# Altium PCB BEAGLEPLAYV020_220915.brd.PcbDoc (part 6 of 12)
Units mm, origin at the board's own origin, x right, y up, seen from the top; angles counter-clockwise.
Board outline 80 x 80 mm, 8 copper layers (TOP, LYR2_GND, LYR3, LAY4_PWR1, LAY5_PWR2, LAY6, LYR7_GND, BOTTOM), stack 1.545 mm thick; 782 components, 546 nets, 2864 pads, 2056 vias.
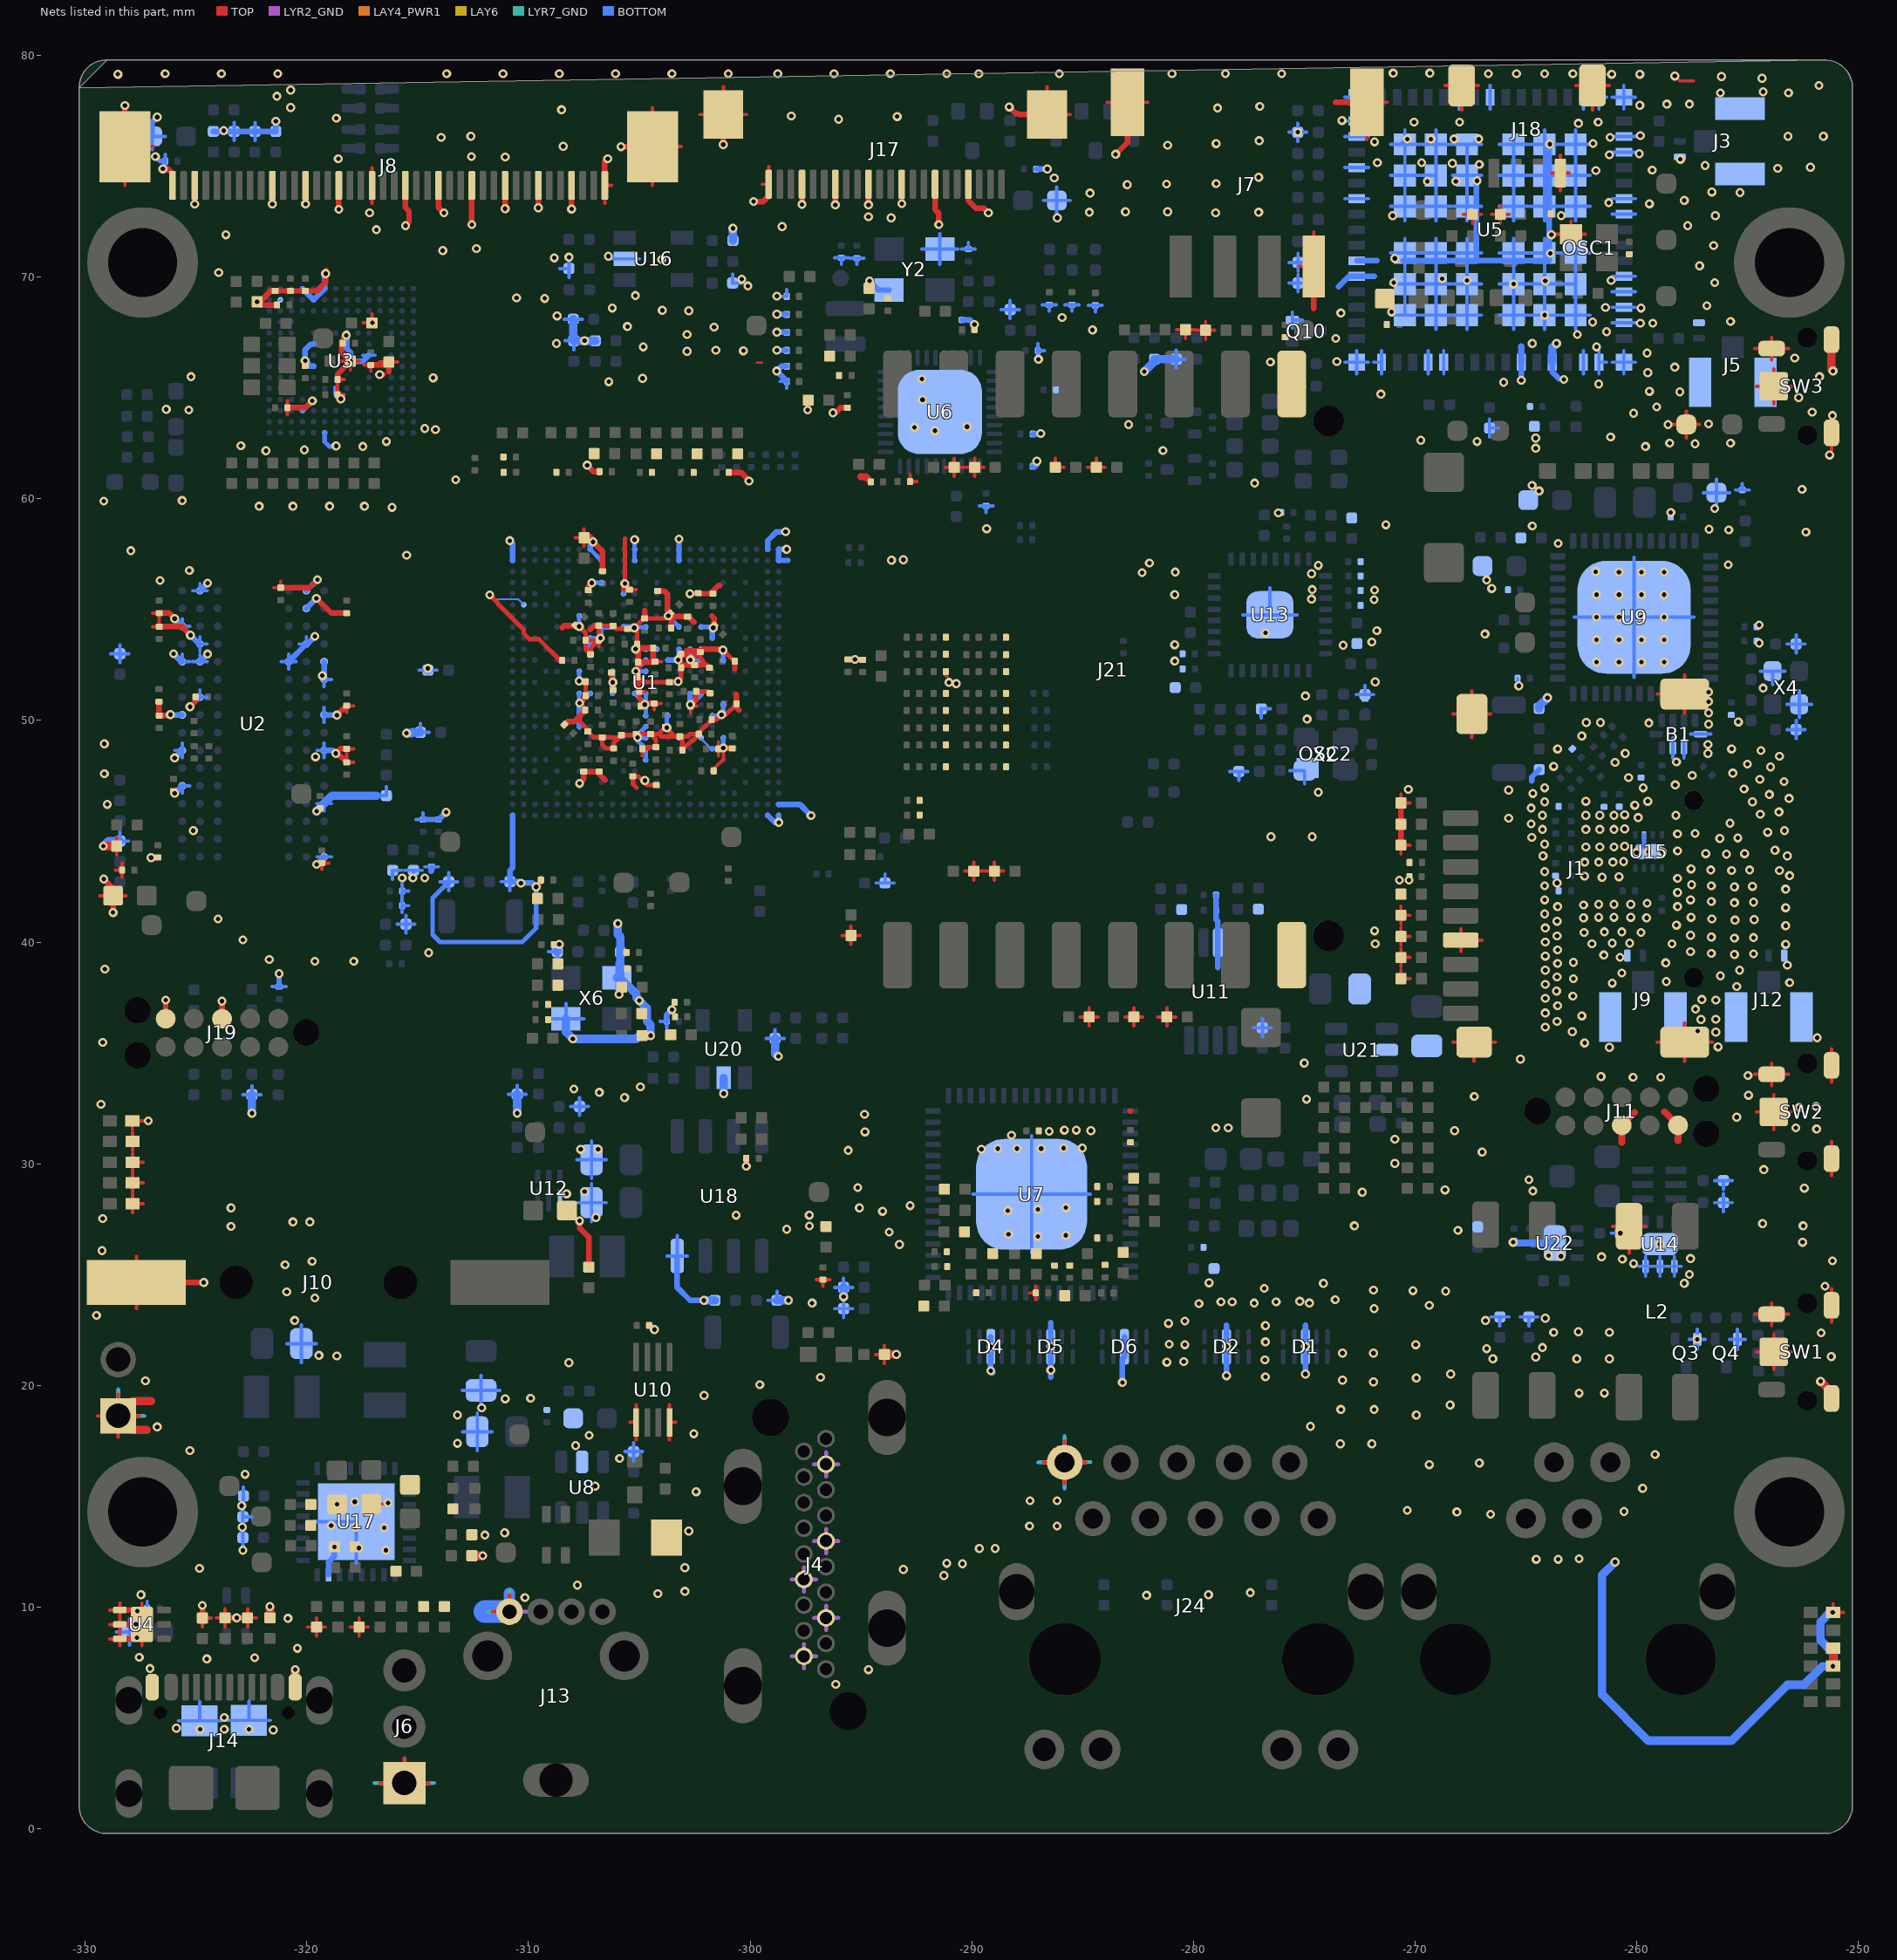
[diagram p12: the nets of this part, all layers, seen from the top]

## Via types
v1: diameter 0.406/0/0.406/0/0/0/0/0.406 (per signal layer), hole 0.203, TOP to BOTTOM, 334 vias
v2: diameter 0.406/0.406/0/0/0/0/0.406/0.406 (per signal layer), hole 0.203, TOP to BOTTOM, 282 vias
v3: diameter 0.406/0/0/0/0/0.406/0/0.406 (per signal layer), hole 0.203, TOP to BOTTOM, 255 vias
v4: diameter 0.406/0.406/0/0/0/0.406/0.406/0.406 (per signal layer), hole 0.203, TOP to BOTTOM, 253 vias
v5: diameter 0.406, hole 0.203, TOP to BOTTOM, 212 vias
v6: diameter 0.406/0.406/0.406/0/0/0.406/0.406/0.406 (per signal layer), hole 0.203, TOP to BOTTOM, 173 vias
v7: diameter 0.406/0/0/0.406/0/0/0/0.406 (per signal layer), hole 0.203, TOP to BOTTOM, 131 vias
v8: diameter 0.406/0/0/0/0.406/0/0/0.406 (per signal layer), hole 0.203, TOP to BOTTOM, 98 vias
v9: diameter 0.406/0.406/0/0.406/0/0/0.406/0.406 (per signal layer), hole 0.203, TOP to BOTTOM, 93 vias
v10: diameter 0.406/0/0.406/0/0/0.406/0/0.406 (per signal layer), hole 0.203, TOP to BOTTOM, 87 vias
v11: diameter 0.406/0.406/0/0.406/0/0.406/0.406/0.406 (per signal layer), hole 0.203, TOP to BOTTOM, 44 vias
v12: diameter 0.406/0.406/0.406/0.406/0/0.406/0.406/0.406 (per signal layer), hole 0.203, TOP to BOTTOM, 40 vias
v13: diameter 0.406/0.406/0.406/0/0/0/0.406/0.406 (per signal layer), hole 0.203, TOP to BOTTOM, 19 vias
v14: diameter 0.406/0/0/0.406/0/0.406/0/0.406 (per signal layer), hole 0.203, TOP to BOTTOM, 15 vias
v15: diameter 0.406/0/0/0/0.406/0.406/0/0.406 (per signal layer), hole 0.203, TOP to BOTTOM, 13 vias
v16: diameter 0.406/0/0.406/0/0.406/0/0/0.406 (per signal layer), hole 0.203, TOP to BOTTOM, 3 vias
v17: diameter 0.406/0/0.406/0.406/0/0/0/0.406 (per signal layer), hole 0.203, TOP to BOTTOM, 3 vias
v18: diameter 0.406/0.406/0.406/0.406/0/0/0.406/0.406 (per signal layer), hole 0.203, TOP to BOTTOM, 1 vias

## Nets (pads, with @x,y where several pads share a name; then routed paths per layer and width w, separated by ;. In a path a pad name is that pad's centre, name@x,y a point inside that pad or via, vN(x,y) a via of type N, cw(c..) or ccw(c..) an arc to the next point about the centre after c; other vN are vias at no path point) (continued)
GND: (continued)
  BOTTOM w0.152: -328.836,53.01 R1.2@-328.433,53.01 ; -328.588,8.89 C44.2@-327.99,8.89 ; -328.507,19.842 J16.1@-328.507,18.635 -327.3,18.635 ; -328.433,44.157 R83.2@-328.433,44.56 ; -328.433,44.964 R83.2@-328.433,44.56 ; -328.433,52.607 R1.2@-328.433,53.01 ; -328.433,53.413 R1.2@-328.433,53.01 ; -328.03,44.56 R83.2@-328.433,44.56 ; -328.03,53.01 R1.2@-328.433,53.01 ; -327.99,8.293 C44.2@-327.99,8.89 ; -327.99,9.487 C44.2@-327.99,8.89 ; -327.572,76.345 C268.2@-326.974,76.345 ; v2@-327.495,9.957 C130.2@-327.203,9.957 ; -327.393,8.89 C44.2@-327.99,8.89 ; -327.203,9.645 C130.2@-327.203,9.957 ; -327.203,10.268 C130.2@-327.203,9.957 ; -326.974,75.747 C268.2@-326.974,76.345 ; v4@-326.39,74.916 C267.2@-326.39,75.227 -326.39,75.539 ; -326.377,76.345 C268.2@-326.974,76.345 ; -325.95,48.652 U2.K9@-325.619,48.652 ; -325.95,54.253 U2.C9@-325.619,54.253 ; -325.803,4.882 R38.1@-324.837,4.882 ; -325.619,46.722 U2.M9@-325.619,47.052 -325.289,47.052 ; -325.619,48.322 U2.K9@-325.619,48.652 ; -325.619,48.983 U2.K9@-325.619,48.652 ; -325.619,52.984 U2.E9@-325.619,52.653 -325.289,52.653 ; -325.619,54.584 U2.C9@-325.619,54.253 ; -325.289,54.253 U2.C9@-325.619,54.253 ; -325.15,52.653 U2.E8@-324.819,52.653 ; -325.15,55.853 U2.A8@-324.819,55.853 ; -324.837,5.733 R38.1@-324.837,4.882 ; -324.819,51.383 U2.G8@-324.819,51.053 -324.489,51.053 ; -324.819,52.984 U2.E8@-324.819,52.653 ; -324.819,53.122 U2.D8@-324.819,53.453 ; -324.819,53.784 U2.D8@-324.819,53.453 ; -324.819,56.184 U2.A8@-324.819,55.853 ; -324.489,52.653 U2.E8@-324.819,52.653 ; -324.489,53.453 U2.D8@-324.819,53.453 ; -324.489,55.853 U2.A8@-324.819,55.853 ; -323.871,4.882 R38.1@-324.837,4.882 ; v2@-323.58,4.902 C105.1@-322.614,4.902 ; -323.279,76.166 R242.2@-323.279,76.57 -323.279,76.973 ; v2@-322.883,12.737 C48.2@-322.883,13.14 v2@-322.883,13.544 ; v2@-322.882,13.677 C47.2@-322.882,14.08 ; v2@-322.882,14.483 C47.2@-322.882,14.08 ; -322.878,33.122 R158.2@-322.475,33.122 ; v2@-322.856,14.617 C46.2@-322.856,15.02 -322.856,15.423 ; -322.614,5.754 C105.1@-322.614,4.902 ; -322.479,14.08 C47.2@-322.882,14.08 ; -322.475,33.525 R158.2@-322.475,33.122 ; -322.339,76.166 R240.2@-322.339,76.57 -322.339,76.973 ; -322.072,33.122 R158.2@-322.475,33.122 ; -321.648,4.902 C105.1@-322.614,4.902 ; -321.562,37.993 C260.2@-321.251,37.993 -320.939,37.993 ; -321.149,52.653 U2.E3@-320.819,52.653 ; -320.904,21.895 C54.2@-320.243,21.895 ; -320.819,52.322 U2.E3@-320.819,52.653 ; -320.819,52.984 U2.E3@-320.819,52.653 ; -320.488,52.653 U2.E3@-320.819,52.653 ; -320.349,53.453 U2.D2@-320.019,53.453 -320.019,53.784 ; -320.243,21.043 C54.2@-320.243,21.895 ; -320.243,22.746 C54.2@-320.243,21.895 ; -319.65,13.863 U17.33@-317.772,13.863 -317.772,11.985 ; -319.582,21.895 C54.2@-320.243,21.895 ; -319.549,43.852 U2.T1@-319.219,43.852 ; -319.549,46.252 U2.N1@-319.219,46.252 ; -319.549,48.652 U2.K1@-319.219,48.652 ; -319.219,43.521 U2.T1@-319.219,43.852 ; -319.219,45.921 U2.N1@-319.219,46.252 ; -319.219,48.322 U2.K1@-319.219,48.652 ; -319.219,48.983 U2.K1@-319.219,48.652 ; -319.219,49.922 U2.H1@-319.219,50.253 -319.219,50.583 ; -319.219,51.522 U2.F1@-319.219,51.853 -318.888,51.853 ; -318.888,43.852 U2.T1@-319.219,43.852 ; -318.888,46.252 U2.N1@-319.219,46.252 ; -317.473,66.475 U3.H10@-317.193,66.475 -316.913,66.475 ; -316.956,2.077 J6.1@-315.597,2.077 -314.238,2.077 ; -316.815,46.609 R82.2@-316.412,46.609 -316.412,47.012 ; -316.128,42.84 C231.2@-316.128,43.243 -315.725,43.243 ; -315.929,40.814 R87.2@-315.526,40.814 ; -315.697,41.337 C122.2@-315.697,41.648 ; -315.697,41.96 C122.2@-315.697,41.648 ; -315.697,41.997 C124.2@-315.697,42.309 ; -315.697,42.62 C124.2@-315.697,42.309 ; -315.592,43.243 C224.2@-315.189,43.243 ; -315.526,40.411 R87.2@-315.526,40.814 ; -315.526,41.217 R87.2@-315.526,40.814 ; -315.404,41.648 C122.2@-315.697,41.648 ; -315.404,42.309 C124.2@-315.697,42.309 ; v9@-315.189,42.84 C224.2@-315.189,43.243 ; -315.123,40.814 R87.2@-315.526,40.814 ; -315.068,45.535 C229.2@-314.757,45.535 -314.757,45.827 ; -314.941,52.269 R88.1@-314.538,52.269 -314.135,52.269 ; -314.882,49.871 R85.2@-314.882,49.468 -314.479,49.468 ; -314.786,43.243 C224.2@-315.189,43.243 ; -314.687,43.401 C225.2@-314.376,43.401 -314.064,43.401 ; -313.999,42.724 C127.2@-313.596,42.724 ; -313.596,42.321 C127.2@-313.596,42.724 ; -313.596,43.127 C127.2@-313.596,42.724 ; -313.193,42.724 C127.2@-313.596,42.724 ; -312.992,19.787 C60.2@-312.141,19.787 ; -312.97,17.916 C50.2@-312.309,17.916 ; -312.309,17.064 C50.2@-312.309,17.916 ; -312.309,18.767 C50.2@-312.309,17.916 ; v2@-312.141,19.126 C60.2@-312.141,19.787 ; -312.141,20.448 C60.2@-312.141,19.787 ; -311.648,17.916 C50.2@-312.309,17.916 ; -311.289,19.787 C60.2@-312.141,19.787 ; -311.242,42.732 C126.2@-310.839,42.732 -310.839,42.329 ; -310.915,33.142 R141.2@-310.511,33.142 ; -310.511,33.545 R141.2@-310.511,33.142 ; -310.108,33.142 R141.2@-310.511,33.142 ; -309.124,36.547 X6.2@-308.311,36.547 ; -309.1,39.574 C128.2@-308.697,39.574 -308.697,39.171 ; -308.576,70.384 C204.2@-308.173,70.384 ; -308.383,68.097 R94.1@-307.98,68.097 -307.577,68.097 ; -308.356,67.128 R131.2@-307.953,67.128 ; -308.311,37.233 X6.2@-308.311,36.547 ; -308.173,69.981 C204.2@-308.173,70.384 ; v2@-308.173,70.788 C204.2@-308.173,70.384 ; -308.099,32.588 R261.2@-307.696,32.588 ; -307.953,66.725 R131.2@-307.953,67.128 ; -307.953,67.531 R131.2@-307.953,67.128 ; -307.815,28.253 C135.2@-307.155,28.253 ; -307.815,30.184 C134.2@-307.155,30.184 ; -307.696,32.185 R261.2@-307.696,32.588 ; -307.696,32.991 R261.2@-307.696,32.588 ; -307.497,36.547 X6.2@-308.311,36.547 ; -307.293,32.588 R261.2@-307.696,32.588 ; -307.155,27.402 C135.2@-307.155,28.253 ; -307.155,29.105 C135.2@-307.155,28.253 ; -307.155,29.332 C134.2@-307.155,30.184 ; -307.155,31.035 C134.2@-307.155,30.184 ; -306.494,28.253 C135.2@-307.155,28.253 ; -306.494,30.184 C134.2@-307.155,30.184 ; v2@-306.32,70.824 U16.2@-305.66,70.824 -304.999,70.824 ; v2@-306.011,37.711 X6.4@-306.011,38.397 -306.011,39.083 ; -305.66,17.023 R152.2@-305.257,17.023 ; -305.257,16.62 R152.2@-305.257,17.023 ; -305.257,17.426 R152.2@-305.257,17.023 ; v2@-305.098,49.22 v2(-305.079,49.238) ; -304.854,17.023 R152.2@-305.257,17.023 ; -304.06,36.432 C266.2@-303.768,36.432 -303.768,36.121 ; v2(-303.756,49.675) -303.301,49.22 U1.H16@-303.211,49.22 ; -303.746,25.846 U18.4@-303.293,25.846 ; -303.293,26.774 U18.4@-303.293,25.846 ; -302.84,25.846 U18.4@-303.293,25.846 ; v2(-302.694,52.739) -302.214,53.22 U1.T18@-302.211,53.22 ; -300.79,70.135 C263.2@-300.79,69.732 v2@-300.386,69.732 ; -299.281,35.656 R213.2@-298.878,35.656 ; -299.191,23.847 C261.2@-298.788,23.847 -298.788,24.25 ; -298.878,36.059 R213.2@-298.878,35.656 ; -298.645,65.293 R47.1@-298.352,65.293 -298.352,64.982 ; v2@-298.645,69.129 R61.1@-298.352,69.129 -298.352,69.441 ; -298.475,35.656 R213.2@-298.878,35.656 ; -296.196,70.866 R277.2@-295.885,70.866 ; -296.19,24.431 R147.2@-295.787,24.431 ; -296.185,23.47 R256.2@-295.782,23.47 ; -295.885,70.573 R277.2@-295.885,70.866 ; -295.787,24.834 R147.2@-295.787,24.431 ; -295.782,23.067 R256.2@-295.782,23.47 ; v9@-295.782,23.873 R256.2@-295.782,23.47 ; -295.573,70.866 R277.2@-295.885,70.866 ; -295.492,70.856 C88.2@-295.18,70.856 ; -295.384,24.431 R147.2@-295.787,24.431 ; -295.379,23.47 R256.2@-295.782,23.47 ; -295.18,70.564 C88.2@-295.18,70.856 ; -294.869,70.856 C88.2@-295.18,70.856 ; -294.319,42.672 R251.2@-293.916,42.672 ; -293.916,43.075 R251.2@-293.916,42.672 ; -293.513,42.672 R251.2@-293.916,42.672 ; -292.255,71.266 Y2.2@-291.442,71.266 ; -291.442,70.58 Y2.2@-291.442,71.266 ; -291.442,71.952 Y2.2@-291.442,71.266 ; -290.629,71.266 Y2.2@-291.442,71.266 ; -290.469,71.264 C89.2@-290.158,71.264 ; -290.158,71.557 C89.2@-290.158,71.264 ; -289.958,28.631 U7.65@-287.305,28.631 ; -289.846,71.264 C89.2@-290.158,71.264 ; -289.669,59.68 C90.1@-289.357,59.68 ; -289.357,59.387 C90.1@-289.357,59.68 ; -289.045,59.68 C90.1@-289.357,59.68 ; -288.676,68.534 R33.2@-288.273,68.534 ; -288.273,68.13 R33.2@-288.273,68.534 ; -288.273,68.937 R33.2@-288.273,68.534 ; -287.87,68.534 R33.2@-288.273,68.534 ; -287.305,25.978 U7.65@-287.305,28.631 ; -287.305,31.284 U7.65@-287.305,28.631 ; v4@-287.024,66.366 C108.2@-287.024,66.677 ; -287.024,66.989 C108.2@-287.024,66.677 ; -287.023,16.54 J24.1@-285.816,16.54 ; -286.824,68.753 R253.1@-286.512,68.753 ; -286.767,73.456 C258.2@-286.169,73.456 ; -286.731,66.677 C108.2@-287.024,66.677 ; -286.512,68.46 R253.1@-286.512,68.753 ; -286.2,68.753 R253.1@-286.512,68.753 ; v4@-286.169,72.858 C258.2@-286.169,73.456 ; -286.169,74.053 C258.2@-286.169,73.456 ; -285.816,15.333 J24.1@-285.816,16.54 ; -285.816,17.747 J24.1@-285.816,16.54 ; -285.797,68.753 R308.1@-285.486,68.753 ; -285.572,73.456 C258.2@-286.169,73.456 ; -285.486,68.46 R308.1@-285.486,68.753 ; -285.174,68.753 R308.1@-285.486,68.753 ; -284.741,68.728 R310.1@-284.429,68.728 ; -284.652,28.631 U7.65@-287.305,28.631 ; -284.429,68.435 R310.1@-284.429,68.728 ; -284.118,68.728 R310.1@-284.429,68.728 ; -280.782,65.891 D52.1@-280.782,66.294 ; -280.782,66.697 D52.1@-280.782,66.294 ; -280.379,66.294 D52.1@-280.782,66.294 ; -278.361,47.701 R272.2@-277.958,47.701 ; -277.958,47.298 R272.2@-277.958,47.701 ; -277.778,54.762 U13.33@-276.555,54.762 ; -277.554,47.701 R272.2@-277.958,47.701 ; -277.298,36.14 C235.2@-276.895,36.14 ; -276.944,50.121 C2.2@-276.944,50.524 -276.54,50.524 ; -276.895,35.737 C235.2@-276.895,36.14 ; -276.895,36.543 C235.2@-276.895,36.14 ; -276.555,55.985 U13.33@-276.555,54.762 ; -276.491,36.14 C235.2@-276.895,36.14 ; -275.795,65.075 R29.2@-275.392,65.075 ; -275.701,76.531 v4(-275.298,76.531) ; -275.688,69.731 R17.2@-275.285,69.731 ; -275.688,70.661 R218.2@-275.285,70.661 ; -275.644,47.739 OSC2.2@-274.991,47.739 -274.991,47.136 ; -275.542,67.711 Q10.2@-275.542,68.064 ; -275.542,68.417 Q10.2@-275.542,68.064 ; -275.392,64.672 R29.2@-275.392,65.075 ; -275.392,65.478 R29.2@-275.392,65.075 ; -275.332,54.762 U13.33@-276.555,54.762 ; -275.298,76.128 v4(-275.298,76.531) ; -275.298,76.934 v4(-275.298,76.531) ; -275.285,69.328 R17.2@-275.285,69.731 ; -275.285,70.134 R17.2@-275.285,69.731 ; -275.285,70.258 R218.2@-275.285,70.661 ; -275.285,71.064 R218.2@-275.285,70.661 ; -275.089,68.064 Q10.2@-275.542,68.064 ; -274.989,65.075 R29.2@-275.392,65.075 ; -274.895,76.531 v4(-275.298,76.531) ; -274.882,69.731 R17.2@-275.285,69.731 ; -274.882,70.661 R218.2@-275.285,70.661 ; -273.168,66.161 U5.49@-272.64,66.161 ; -273.168,73.536 U5.59@-272.64,73.536 -272.111,73.536 ; -273.168,74.936 U5.61@-272.64,74.936 -272.111,74.936 ; -273.168,76.336 U5.63@-272.64,76.336 -272.111,76.336 ; v4@-273.168,77.036 U5.64@-272.64,77.036 ; -273.168,78.111 U5.1@-272.64,78.111 ; -272.669,51.169 R220.2@-272.266,51.169 ; -272.64,65.633 U5.49@-272.64,66.161 ; -272.64,66.689 U5.49@-272.64,66.161 ; -272.64,77.389 U5.64@-272.64,77.036 ; -272.64,77.583 U5.1@-272.64,78.111 ; -272.64,78.639 U5.1@-272.64,78.111 ; -272.266,51.572 R220.2@-272.266,51.169 ; -272.111,66.161 U5.49@-272.64,66.161 ; -272.111,77.036 U5.64@-272.64,77.036 ; -272.111,78.111 U5.1@-272.64,78.111 ; -271.868,66.161 U5.48@-271.515,66.161 ; -271.863,51.169 R220.2@-272.266,51.169 ; -271.515,65.633 U5.48@-271.515,66.161 ; -271.515,66.689 U5.48@-271.515,66.161 ; v4@-271.118,68.286 U5.G25@-270.465,68.286 ; v4@-271.118,69.686 U5.G22@-270.465,69.686 ; -271.118,71.086 U5.G19@-270.465,71.086 ; -271.118,73.186 U5.G7@-270.465,73.186 ; -271.118,74.586 U5.G4@-270.465,74.586 ; -271.118,75.986 U5.G1@-270.465,75.986 ; -270.465,68.939 U5.G25@-270.465,68.286 ; -270.465,69.033 U5.G22@-270.465,69.686 ; -270.465,70.339 U5.G22@-270.465,69.686 ; -270.465,70.433 U5.G19@-270.465,71.086 ; -270.465,71.739 U5.G19@-270.465,71.086 ; -270.465,72.533 U5.G7@-270.465,73.186 ; -270.465,73.839 U5.G7@-270.465,73.186 ; -270.465,73.933 U5.G4@-270.465,74.586 ; -270.465,75.239 U5.G4@-270.465,74.586 ; -270.465,75.333 U5.G1@-270.465,75.986 ; -270.465,76.639 U5.G1@-270.465,75.986 ; -269.811,68.286 U5.G25@-270.465,68.286 ; -269.811,69.686 U5.G22@-270.465,69.686 ; -269.811,71.086 U5.G19@-270.465,71.086 ; -269.811,73.186 U5.G7@-270.465,73.186 ; -269.811,74.586 U5.G4@-270.465,74.586 ; -269.811,75.986 U5.G1@-270.465,75.986 ; -269.718,68.286 U5.G26@-269.065,68.286 ; -269.718,69.686 U5.G23@-269.065,69.686 ; -269.718,71.086 U5.G20@-269.065,71.086 ; -269.718,73.186 U5.G8@-269.065,73.186 ; -269.718,74.586 U5.G5@-269.065,74.586 ; -269.718,75.986 U5.G2@-269.065,75.986 ; -269.415,65.633 U5.45@-269.415,66.161 -269.415,66.689 ; -269.065,67.633 U5.G26@-269.065,68.286 ; -269.065,68.939 U5.G26@-269.065,68.286 ; -269.065,69.033 U5.G23@-269.065,69.686 ; -269.065,70.339 U5.G23@-269.065,69.686 ; -269.065,70.433 U5.G20@-269.065,71.086 ; -269.065,71.739 U5.G20@-269.065,71.086 ; -269.065,72.533 U5.G8@-269.065,73.186 ; -269.065,73.839 U5.G8@-269.065,73.186 ; -269.065,73.933 U5.G5@-269.065,74.586 ; -269.065,75.239 U5.G5@-269.065,74.586 ; -269.065,75.333 U5.G2@-269.065,75.986 ; -269.065,76.639 U5.G2@-269.065,75.986 ; -268.715,65.633 U5.44@-268.715,66.161 -268.715,66.689 ; -268.412,68.286 U5.G26@-269.065,68.286 ; -268.412,69.686 U5.G23@-269.065,69.686 ; -268.412,71.086 U5.G20@-269.065,71.086 ; -268.412,73.186 U5.G8@-269.065,73.186 ; -268.412,75.986 U5.G2@-269.065,75.986 ; -268.318,68.286 U5.G27@-267.665,68.286 ; -268.318,69.686 U5.G24@-267.665,69.686 ; -268.318,71.086 U5.G21@-267.665,71.086 ; -268.318,73.186 U5.G9@-267.665,73.186 ; -268.318,74.586 U5.G6@-267.665,74.586 ; -268.318,75.986 U5.G3@-267.665,75.986 ; -268.015,77.583 U5.7@-268.015,78.111 -268.015,78.639 ; -267.665,67.633 U5.G27@-267.665,68.286 ; -267.665,68.939 U5.G27@-267.665,68.286 ; -267.665,69.033 U5.G24@-267.665,69.686 ; -267.665,70.339 U5.G24@-267.665,69.686 ; -267.665,70.433 U5.G21@-267.665,71.086 ; -267.665,71.739 U5.G21@-267.665,71.086 ; -267.665,72.533 U5.G9@-267.665,73.186 ; -267.665,73.839 U5.G9@-267.665,73.186 ; -267.665,73.933 U5.G6@-267.665,74.586 ; -267.665,75.239 U5.G6@-267.665,74.586 ; -267.665,75.333 U5.G3@-267.665,75.986 ; -267.012,68.286 U5.G27@-267.665,68.286 ; -267.012,69.686 U5.G24@-267.665,69.686 ; -267.012,71.086 U5.G21@-267.665,71.086 ; -267.012,73.186 U5.G9@-267.665,73.186 ; -267.012,74.586 U5.G6@-267.665,74.586 ; -267.012,75.986 U5.G3@-267.665,75.986 ; -266.649,62.787 R28.2@-266.649,63.19 ; -266.649,63.593 R28.2@-266.649,63.19 ; -266.615,77.583 U5.9@-266.615,78.111 -266.615,78.639 ; -266.587,23.097 C16.2@-266.184,23.097 ; -266.246,63.19 R28.2@-266.649,63.19 ; -266.218,68.286 U5.G34@-265.565,68.286 ; -266.218,69.686 v4(-265.565,69.686) ; -266.218,71.086 U5.G28@-265.565,71.086 ; -266.218,73.186 U5.G16@-265.565,73.186 ; -266.218,74.586 U5.G13@-265.565,74.586 ; -266.218,75.986 U5.G10@-265.565,75.986 ; -266.184,22.694 C16.2@-266.184,23.097 ; -265.781,23.097 C16.2@-266.184,23.097 ; -265.565,67.633 U5.G34@-265.565,68.286 ; -265.565,68.939 U5.G34@-265.565,68.286 ; -265.565,69.033 v4(-265.565,69.686) ; -265.565,70.339 v4(-265.565,69.686) ; -265.565,70.433 U5.G28@-265.565,71.086 ; -265.565,71.739 U5.G28@-265.565,71.086 ; -265.565,72.533 U5.G16@-265.565,73.186 ; -265.565,73.839 U5.G16@-265.565,73.186 ; -265.565,73.933 U5.G13@-265.565,74.586 ; -265.565,75.239 U5.G13@-265.565,74.586 ; -265.565,75.333 U5.G10@-265.565,75.986 ; -265.565,76.639 U5.G10@-265.565,75.986 ; -265.275,23.097 C17.2@-264.871,23.097 ; -264.912,68.286 U5.G34@-265.565,68.286 ; -264.912,69.686 v4(-265.565,69.686) ; -264.912,71.086 U5.G28@-265.565,71.086 ; -264.912,73.186 U5.G16@-265.565,73.186 ; -264.912,74.586 U5.G13@-265.565,74.586 ; -264.912,75.986 U5.G10@-265.565,75.986 ; -264.871,22.694 C17.2@-264.871,23.097 ; -264.818,68.286 v4(-264.165,68.286) ; -264.818,69.686 U5.G32@-264.165,69.686 ; -264.818,71.086 U5.G29@-264.165,71.086 ; -264.818,73.186 U5.G17@-264.165,73.186 ; -264.818,74.586 U5.G14@-264.165,74.586 ; -264.818,75.986 U5.G11@-264.165,75.986 ; -264.468,23.097 C17.2@-264.871,23.097 ; -264.165,67.633 v4(-264.165,68.286) ; -264.165,68.939 v4(-264.165,68.286) ; -264.165,69.033 U5.G32@-264.165,69.686 ; -264.165,70.339 U5.G32@-264.165,69.686 ; -264.165,70.433 U5.G29@-264.165,71.086 ; -264.165,71.739 U5.G29@-264.165,71.086 ; -264.165,72.533 U5.G17@-264.165,73.186 ; -264.165,73.839 U5.G17@-264.165,73.186 ; -264.165,73.933 U5.G14@-264.165,74.586 ; -264.165,75.239 U5.G14@-264.165,74.586 ; -264.165,75.333 U5.G11@-264.165,75.986 ; -264.165,76.639 U5.G11@-264.165,75.986 ; -263.512,68.286 v4(-264.165,68.286) ; -263.512,69.686 U5.G32@-264.165,69.686 ; -263.512,71.086 U5.G29@-264.165,71.086 ; -263.512,73.186 U5.G17@-264.165,73.186 ; -263.512,74.586 U5.G14@-264.165,74.586 ; -263.512,75.986 U5.G11@-264.165,75.986 ; -263.418,68.286 U5.G36@-262.765,68.286 ; -263.418,69.686 U5.G33@-262.765,69.686 ; -263.418,71.086 U5.G30@-262.765,71.086 ; -263.418,73.186 U5.G18@-262.765,73.186 ; -263.418,74.586 U5.G15@-262.765,74.586 ; -263.418,75.986 U5.G12@-262.765,75.986 ; -262.83,54.655 U9.49@-260.127,54.655 ; -262.765,67.633 U5.G36@-262.765,68.286 ; -262.765,68.939 U5.G36@-262.765,68.286 ; -262.765,69.033 U5.G33@-262.765,69.686 ; -262.765,70.339 U5.G33@-262.765,69.686 ; -262.765,70.433 U5.G30@-262.765,71.086 ; -262.765,71.739 U5.G30@-262.765,71.086 ; -262.765,72.533 U5.G18@-262.765,73.186 ; -262.765,73.839 U5.G18@-262.765,73.186 ; -262.765,73.933 U5.G15@-262.765,74.586 ; -262.765,75.239 U5.G15@-262.765,74.586 ; -262.765,75.333 U5.G12@-262.765,75.986 ; -262.765,76.639 U5.G12@-262.765,75.986 ; -262.415,65.633 U5.35@-262.415,66.161 -262.415,66.689 ; -262.415,77.583 U5.15@-262.415,78.111 -262.415,78.639 ; -262.112,68.286 U5.G36@-262.765,68.286 ; -262.112,71.086 U5.G30@-262.765,71.086 ; -262.112,73.186 U5.G18@-262.765,73.186 ; -262.112,74.586 U5.G15@-262.765,74.586 ; v4@-262.112,75.986 U5.G12@-262.765,75.986 ; -261.715,65.633 U5.34@-261.715,66.161 ; v4@-261.715,66.689 U5.34@-261.715,66.161 ; -261.715,77.583 U5.16@-261.715,78.111 ; -261.715,78.639 U5.16@-261.715,78.111 ; -261.362,66.161 U5.34@-261.715,66.161 ; -261.362,78.111 U5.16@-261.715,78.111 ; -261.154,26.873 v12(-260.751,26.873) ; -261.118,66.161 U5.33@-260.59,66.161 ; -261.118,67.936 U5.31@-260.59,67.936 -260.062,67.936 ; -261.118,68.636 U5.30@-260.59,68.636 -260.062,68.636 ; -261.118,69.336 U5.29@-260.59,69.336 -260.062,69.336 ; v4@-261.118,70.036 U5.28@-260.59,70.036 -260.062,70.036 ; -261.118,72.836 U5.24@-260.59,72.836 -260.062,72.836 ; -261.118,73.536 U5.23@-260.59,73.536 -260.062,73.536 ; v4@-261.118,75.636 U5.20@-260.59,75.636 v4@-260.062,75.636 ; v4@-261.118,76.336 U5.19@-260.59,76.336 -260.062,76.336 ; -261.118,78.111 U5.17@-260.59,78.111 ; -260.751,26.47 v12(-260.751,26.873) ; -260.751,27.276 v12(-260.751,26.873) ; -260.59,65.633 U5.33@-260.59,66.161 ; -260.59,66.689 U5.33@-260.59,66.161 ; -260.59,77.583 U5.17@-260.59,78.111 ; -260.59,78.639 U5.17@-260.59,78.111 ; -260.348,26.873 v12(-260.751,26.873) ; -260.127,51.952 U9.49@-260.127,54.655 ; -260.127,57.358 U9.49@-260.127,54.655 ; -260.062,66.161 U5.33@-260.59,66.161 ; -260.062,78.111 U5.17@-260.59,78.111 ; -259.913,25.379 U14.3@-259.61,25.379 ; -259.61,24.927 U14.3@-259.61,25.379 ; -259.61,25.832 U14.3@-259.61,25.379 ; -259.307,25.379 U14.3@-259.61,25.379 ; -259.263,25.379 U14.2@-258.96,25.379 ; -258.96,24.927 U14.2@-258.96,25.379 ; -258.96,25.832 U14.2@-258.96,25.379 ; -258.657,25.379 U14.2@-258.96,25.379 ; -258.613,25.379 U14.1@-258.31,25.379 ; -258.377,48.308 B1.3@-258.377,48.761 -258.377,49.214 ; -258.31,24.927 U14.1@-258.31,25.379 ; -258.31,25.832 U14.1@-258.31,25.379 ; -258.007,25.379 U14.1@-258.31,25.379 ; -257.877,48.308 B1.2@-257.877,48.761 -257.877,49.214 ; -257.629,22.09 v12(-257.276,22.09) ; -257.58,49.386 B1.10@-257.127,49.386 -256.674,49.386 ; -257.424,54.655 U9.49@-260.127,54.655 ; -257.276,21.637 v12(-257.276,22.09) ; -257.276,22.543 v12(-257.276,22.09) ; -257.01,60.274 C96.2@-256.413,60.274 ; -256.923,22.09 v12(-257.276,22.09) ; -256.499,28.25 R59.2@-256.096,28.25 ; -256.499,29.248 R56.2@-256.096,29.248 ; v2@-256.413,59.677 C96.2@-256.413,60.274 ; -256.413,60.872 C96.2@-256.413,60.274 ; -256.096,27.847 R59.2@-256.096,28.25 ; -256.096,28.653 R59.2@-256.096,28.25 ; -256.096,28.845 R56.2@-256.096,29.248 ; -255.82,22.09 Q4.2@-255.467,22.09 ; -255.816,60.274 C96.2@-256.413,60.274 ; 